# Altium PCB PCB2.PcbDoc (part 4 of 4) (continued)
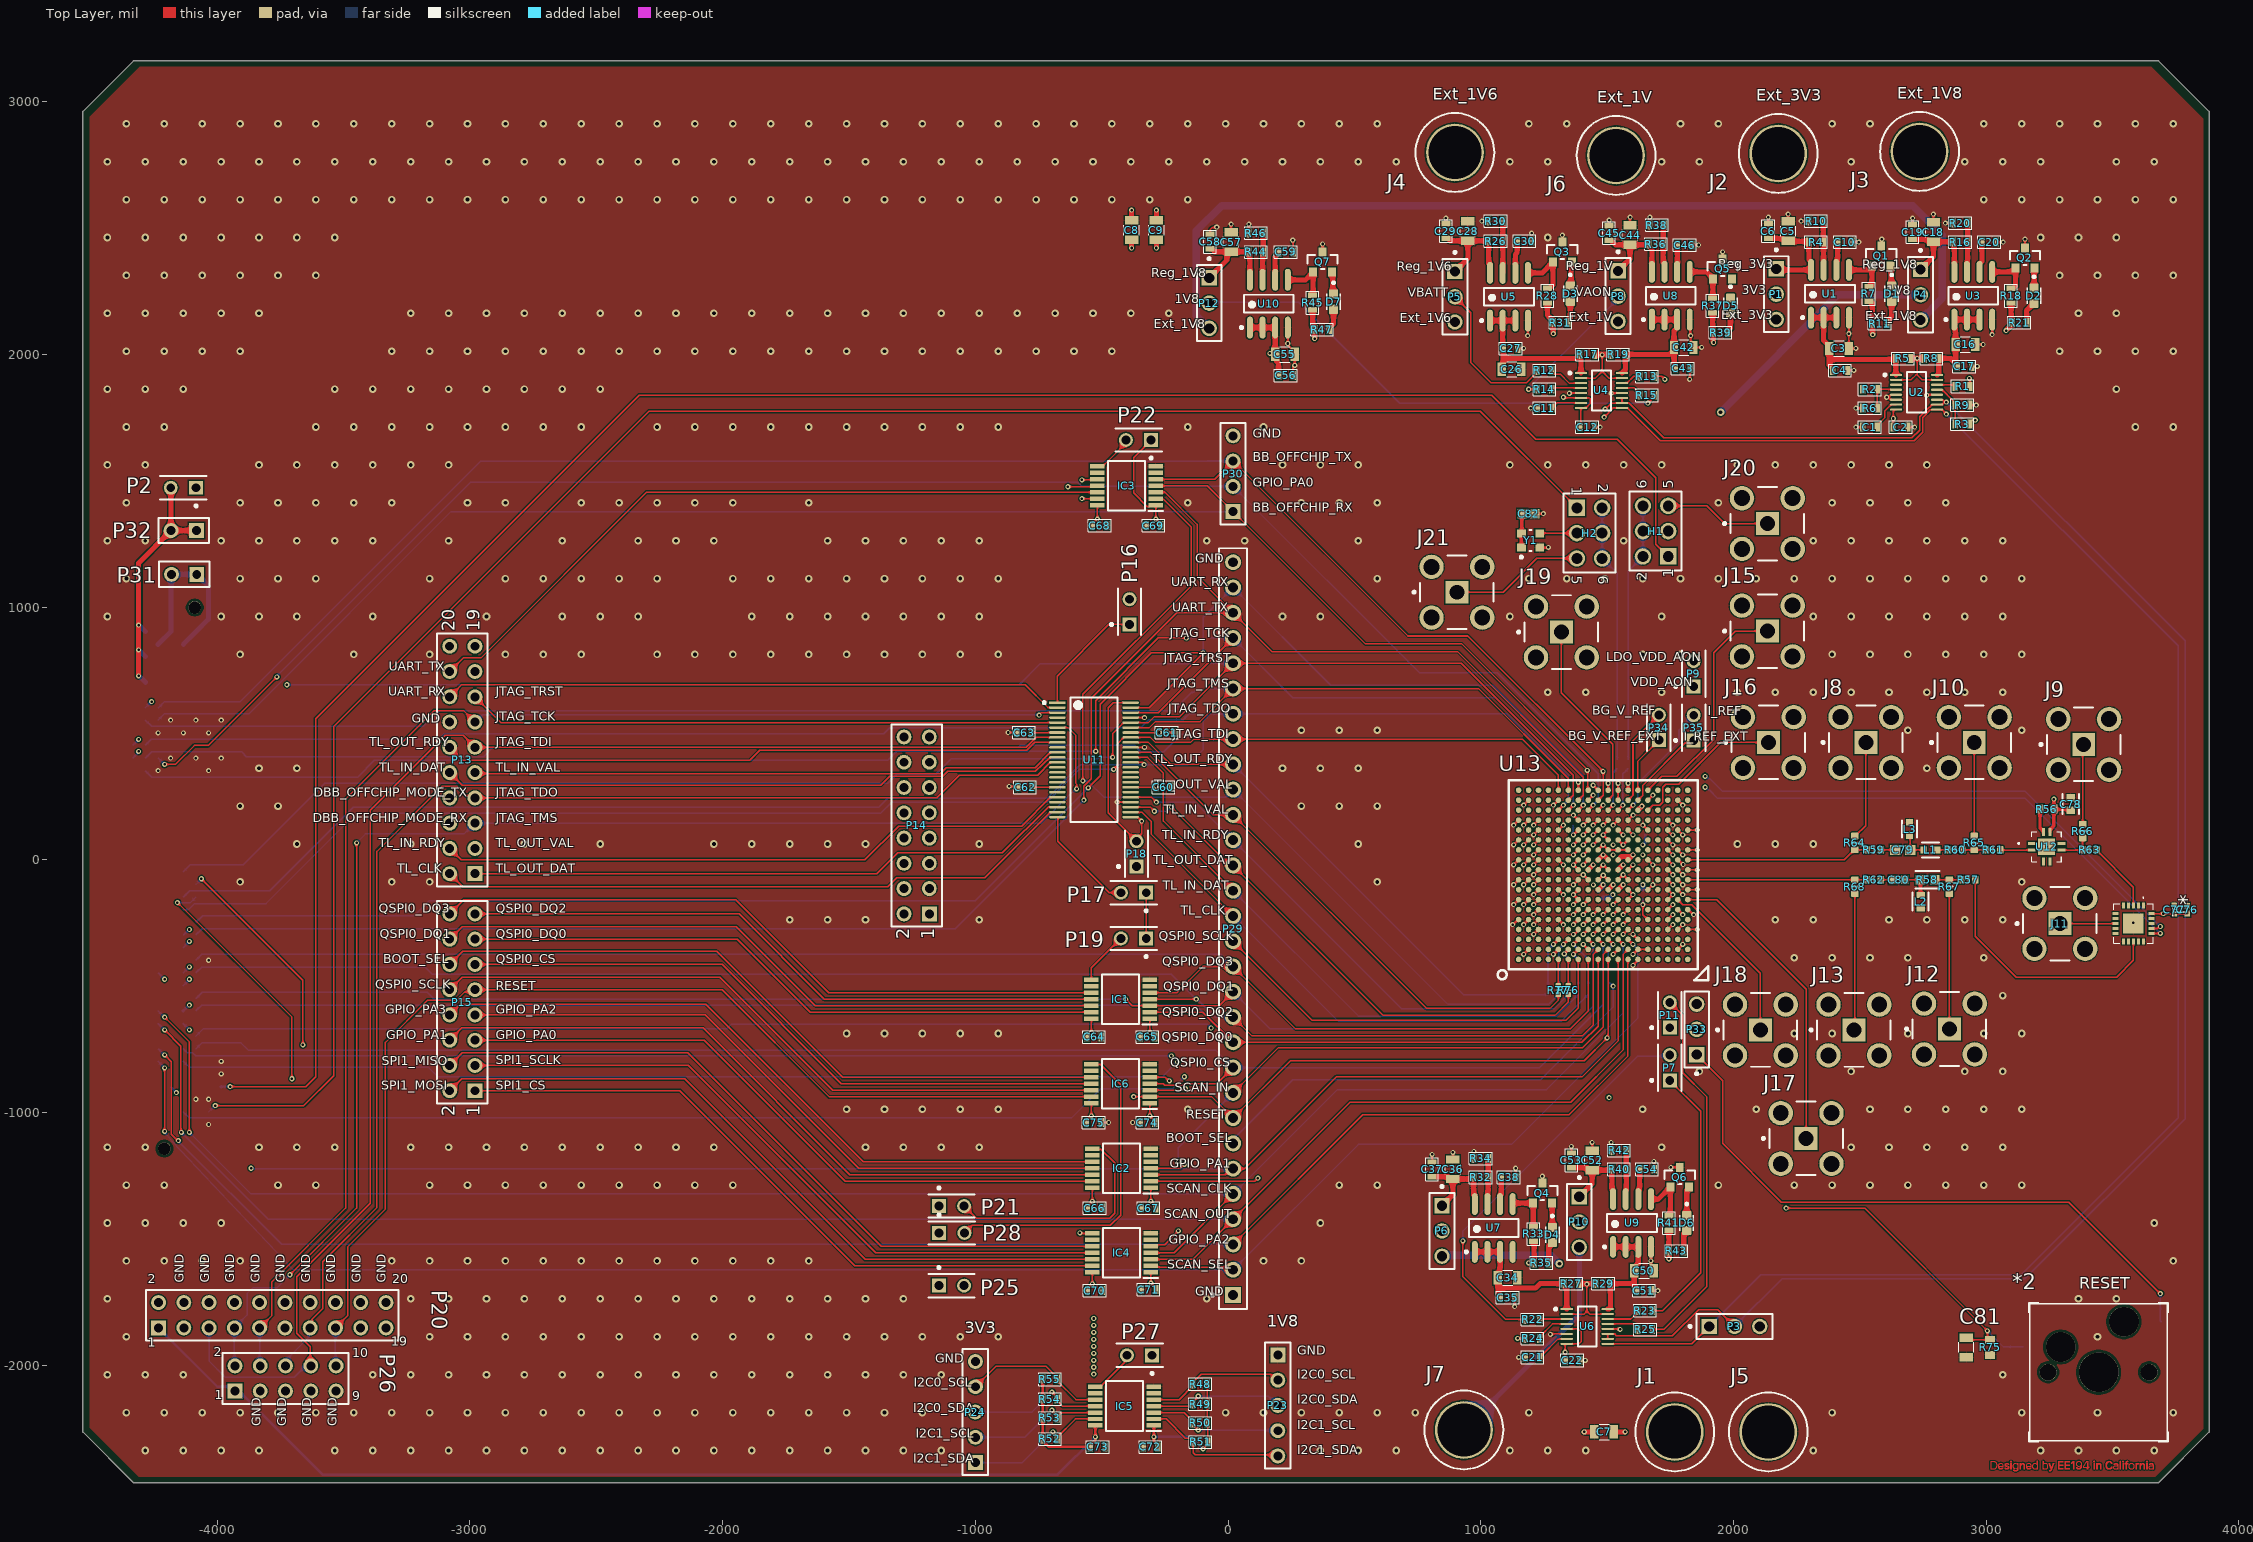
[diagram p0: Top Layer view]
## Nets (pads, with @x,y where several pads share a name; then routed paths per layer and width w, separated by ;. In a path a pad name is that pad's centre, name@x,y a point inside that pad or via, vN(x,y) a via of type N, cw(c..) or ccw(c..) an arc to the next point about the centre after c; other vN are vias at no path point) (continued)
  Top Layer w6: U13.279@1464.57,-314.96 v2(1484.25,-334.65)
  Bottom Layer w6: J14.H7@-4084.25,-747.24 -4061.42,-724.41 -3905.51,-724.41 -3877.14,-752.78 -49.58,-752.78 P29.10@19.68,-822.05 1233.26,-822.05 1484.25,-571.06 v2(1484.25,-334.65)
SPI0_DQ0: IC1.2 J14.H10 P29.11 U13.315 | length 6288.4
  Top Layer w5: IC1.2@-309.53,-602.36 -100,-602.36 P29.11@19.68,-722.05 1400,-722.05 1464.57,-657.48
  Top Layer w6: 1464.57,-657.48 U13.315@1464.57,-393.7
  Bottom Layer w5: J14.H10@-4084.25,-597.24 -4061.81,-574.8 -127.56,-574.8 P29.11@19.68,-722.05
SPI0_DQ1: IC1.3 J14.H11 P29.13 U13.278 | length 5955.5
  Top Layer w5: v2(-405.51,-551.18) -379.92,-576.77 IC1.3@-309.53,-576.77 -35.04,-576.77 P29.13@19.68,-522.05
  Top Layer w6: U13.278@1425.2,-314.96 v2(1444.88,-334.65)
  Bottom Layer w5: J14.H11@-4084.25,-547.24 -4082.68,-547.24 -4059.06,-523.62 -3169.29,-523.62 -3141.73,-551.18 -3141.73,-552.19 -1583.94,-552.19 -1582.93,-551.18 v2(-405.51,-551.18)
  Bottom Layer w6: P29.13@19.68,-522.05 166.93,-669.29 1354.33,-669.29 1444.88,-578.74 v2(1444.88,-334.65)
SPI0_DQ2: IC1.4 J14.H13 P29.12 U13.297 | length 6159.6
  Top Layer w5: IC1.4@-309.53,-551.18 v2(-125.98,-551.18)
  Top Layer w6: P29.12@19.68,-622.05 94.49,-696.85 1401.57,-696.85 1444.88,-653.54 1444.88,-374.02 U13.297@1464.57,-354.33
  Bottom Layer w5: J14.H13@-4084.25,-447.24 -4062.2,-425.2 -3177.17,-425.2 -3149.61,-452.76 -224.41,-452.76 v2(-125.98,-551.18) -122.05,-551.18 -51.18,-622.05 P29.12@19.68,-622.05
SPI0_DQ3: IC1.5 J14.H14 P29.14 U13.314 | length 6247.6
  Top Layer w6: IC1.5@-309.53,-525.59 -202.76,-525.59 -99.21,-422.05 P29.14@19.68,-422.05 266.93,-669.29 1354.33,-669.29 1425.2,-598.42 U13.314@1425.2,-393.7
  Bottom Layer w5: J14.H14@-4084.25,-397.24 -4061.02,-374.02 -28.35,-374.02 P29.14@19.68,-422.05
SPI0_SCLK: IC6.3 J14.H8 P29.15 U13.313 | length 6555.8
  Top Layer w6: IC6.3@-309.53,-911.42 -178.99,-911.42 -173.08,-905.51 v2(-169.29,-905.51) ; P29.15@19.68,-322.05 331.5,-633.86 1338.58,-633.86 1385.83,-586.61 U13.313@1385.83,-393.7
  Misc w5: v2(-169.29,-905.51) -66.93,-803.15 -66.93,-408.66 P29.15@19.68,-322.05
  Bottom Layer w6: J14.H8@-4084.25,-697.24 -4056.3,-669.29 -1984.25,-669.29 -1964.57,-649.61 -82.68,-649.61 v2(-66.93,-665.35)
SPI_0_CS_3V3: IC6.11 P15.11 | length 2635
  Top Layer w5: P15.11@-2980.32,-413.72 -2002.6,-413.72 -1530.49,-885.83 IC6.11@-540.87,-885.83
SPI_0_DQ_0_3V3: IC1.13 P15.13 | length 2559
  Top Layer w5: P15.13@-2980.32,-313.72 -1942.18,-313.72 -1653.54,-602.36 IC1.13@-540.87,-602.36
SPI_0_DQ_1_3V3: IC1.12 P15.14 | length 2689.8
  Top Layer w5: P15.14@-3080.32,-313.72 -3030.37,-263.78 -1946.67,-263.78 -1633.67,-576.77 IC1.12@-540.87,-576.77
SPI_0_DQ_2_3V3: IC1.11 P15.15 | length 2579.2
  Top Layer w5: P15.15@-2980.32,-213.72 -1935.27,-213.72 -1597.82,-551.18 IC1.11@-540.87,-551.18
SPI_0_DQ_3_3V3: IC1.10 P15.16 | length 2715.2
  Top Layer w5: P15.16@-3080.32,-213.72 -3024.07,-157.48 -1948.82,-157.48 -1580.71,-525.59 IC1.10@-540.87,-525.59
SPI_0_SCK__3V3: IC6.12 P15.10 | length 2744.9
  Top Layer w5: P15.10@-3080.32,-513.72 -3031.16,-464.57 -2011.02,-464.57 -1564.17,-911.42 IC6.12@-540.87,-911.42
SPI_1_CS_3V3: IC4.13 P15.1 | length 2730.3
  Top Layer w5: P15.1@-2980.32,-913.72 -2168.95,-913.72 -1476.38,-1606.3 IC4.13@-536.93,-1606.3
SPI_1_MISO_3V3: IC4.10 P15.4 | length 2881.3
  Top Layer w5: P15.4@-3080.32,-813.72 -3030.37,-763.78 -2137.8,-763.78 -1372.05,-1529.53 IC4.10@-536.93,-1529.53
SPI_1_MOSI_3V3: IC4.12 P15.2 | length 2859.1
  Top Layer w5: P15.2@-3080.32,-913.72 -3032.73,-866.14 -2150.77,-866.14 -1436.2,-1580.71 IC4.12@-536.93,-1580.71
SPI_1_SCK__3V3: IC4.11 P15.3 | length 2750.5
  Top Layer w5: P15.3@-2980.32,-813.72 -2135.27,-813.72 -1393.88,-1555.12 IC4.11@-536.93,-1555.12
TL_CLK: J14.G2 P29.16 R81.2 U11.26 | length 6982.5
  Top Layer w6: U11.26@-385.83,188.98 -384.39,187.54 -339.55,187.54 -303.15,151.14 -303.15,100.79 P29.16@19.68,-222.05
  Misc w6: v2(-173.23,-858.27) -173.23,-414.96 P29.16@19.68,-222.05
  Bottom Layer w6: J14.G2@-4134.25,-997.24 -4110.25,-1021.25 -619.68,-1021.25 -503.94,-905.51 -220.47,-905.51 v2(-173.23,-858.27) ; P29.16@18.5,-223.23 P29.16@19.68,-222.05 435.43,-637.8 1319.88,-637.8 1424.21,-533.46 R81.2@1425.2,-533.46
TL_CLK_3V3: P13.2 U11.23 | length 2548.8
  Top Layer w5: P13.2@-3080.32,-54.72 -3028.74,-106.3 -1346.46,-106.3 -1311.02,-70.87 -962.69,-70.87 -702.84,188.98 U11.23@-675.23,188.98
TL_IN_BITS_0_3V3: P13.10 U11.12 | length 2470.2
  Top Layer w5: P13.10@-3080.32,345.28 -3030.31,295.28 -1374.02,295.28 -1338.58,330.71 -1129.92,330.71 -1110.24,350.39 -762.3,350.39 -702.84,405.51 U11.12@-675.23,405.51
TL_IN_BITS_0_DUT: J14.G6 P29.17 R78.2 U11.37 | length 7093.1
  Top Layer w6: U11.37@-385.83,405.51 -318.9,405.51 -255.91,342.52 -255.91,153.54 P29.17@19.68,-122.05
  Misc w6: v2(-200.79,-799.21) -200.79,-342.52 P29.17@19.68,-122.05
  Bottom Layer w6: J14.G6@-4134.25,-797.24 -4110.25,-821.25 -3163.81,-821.25 -3126.8,-858.27 -259.84,-858.27 v2(-200.79,-799.21) ; P29.17@19.68,-122.05 515.75,-618.11 1300.2,-618.11 1384.84,-533.46 R78.2@1385.83,-533.46
TL_IN_RDY: J14.G12 P29.19 R79.2 U11.29 | length 6339.2
  Top Layer w6: U11.29@-385.83,248.03 -303.15,248.03 v2(-283.46,228.35)
  Misc w6: v2(-4110.24,-472.44) -2846.46,-472.44 -2043.31,330.71 -385.83,330.71 v2(-283.46,228.35)
  Bottom Layer w6: J14.G12@-4134.25,-497.24 -4110.24,-473.23 v2(-4110.24,-472.44) ; v2(-283.46,228.35) -130.71,228.35 687.32,-589.68 1289.25,-589.68 1345.47,-533.46 R79.2@1346.46,-533.46
TL_IN_RDY_3V3: P13.4 U11.20 | length 2526.6
  Top Layer w5: P13.4@-3080.32,45.28 -3035.04,0 -1437.01,0 -1303.15,133.86 -817.02,133.86 -702.84,248.03 U11.20@-675.23,248.03
TL_IN_VAL: J14.G9 P29.20 R77.2 U11.38 | length 6665.7
  Top Layer w6: U11.38@-385.83,425.2 -305.94,425.2 -58.7,177.95 P29.20@19.68,177.95 784.25,-586.61 1275.59,-586.61 1307.09,-555.12 R77.2@1307.09,-533.46
  Misc w6: v2(-4110.24,-673.23) -2858.27,-673.23 -2059.06,125.98 -32.28,125.98 P29.20@19.68,177.95
  Bottom Layer w6: J14.G9@-4134.25,-647.24 -4134.25,-648.23 -4110.24,-672.24 v2(-4110.24,-673.23)
  Bottom Layer w12.82: P29.20@19.29,177.56 P29.20@19.68,177.95
TL_IN_VAL_3V3: P13.9 U11.11 | length 2341.1
  Top Layer w5: P13.9@-2980.32,345.28 -2976.75,341.71 -1138.61,341.71 -1116.23,364.08 -763.96,364.08 -702.84,425.2 U11.11@-675.23,425.2
TL_OUT_BITS_0_3V3: P13.1 U11.22 | length 2414.2
  Top Layer w5: P13.1@-2980.32,-54.72 -1389.37,-54.72 -1307.09,27.56 -893.7,27.56 -712.6,208.66 U11.22@-675.23,208.66
TL_OUT_BITS_0_DUT: J14.G7 P29.18 R76.2 U11.27 | length 6917.5
  Top Layer w6: U11.27@-385.83,208.66 -307.65,208.66 v2(-291.34,192.35) ; v2(-224.41,208.66) 15.75,-31.5 P29.18@19.68,-31.5 ; P29.18@19.68,-22.05 611.81,-614.17 1295.28,-614.17 1346.46,-562.99 R76.2@1346.46,-533.46
  Misc w6: v2(-224.41,-775.59) -224.41,-266.14 P29.18@19.68,-22.05
  Bottom Layer w6: J14.G7@-4134.25,-747.24 -4117.72,-763.78 -4096.85,-763.78 -4085.04,-775.59 v2(-224.41,-775.59) ; v2(-291.34,192.35) -240.72,192.35 v2(-224.41,208.66)
TL_OUT_RDY: J14.G13 P29.22 R84.2 U11.40 | length 6636.4
  Top Layer w6: U11.40@-385.83,464.57 -314.96,464.57 -261.81,411.42 -260.28,409.88 ; -259.84,409.88 -260.28,409.88 ; P29.22@19.68,377.95 -228.35,377.95 -260.28,409.88
  Misc w6: v2(-4110.24,-423.23) -3194.88,-423.23 -3137.8,-366.14 -2850.39,-366.14 -2047.24,437.01 -1133.86,437.01 -1104.48,466.39 -316.78,466.39 -228.35,377.95 P29.22@19.68,377.95
  Bottom Layer w6: J14.G13@-4134.25,-447.24 v2(-4110.24,-423.23) ; P29.22@19.68,377.95 931.1,-533.46 R84.2@1267.72,-533.46
TL_OUT_RDY_3V3: P13.12 U11.9 | length 2455.8
  Top Layer w5: P13.12@-3080.32,445.28 -3028.74,393.7 -1893.1,393.7 -1853.73,433.07 -795.92,433.07 -764.42,464.57 U11.9@-675.23,464.57
TL_OUT_VAL: IC3.2 J14.G10 P29.21 R83.2 | length 7593.4
  Top Layer w6: v2(-574.8,312.71) -574.8,654.94 -145.67,1084.07 -145.67,1317.33 -255.02,1426.68 -283.46,1426.68 IC3.2@-285.91,1429.13
  Misc w6: v2(-4110.24,-574.8) -4091.36,-555.93 -2827.58,-555.93 -2039.37,232.28 -673.23,232.28 -593.8,311.71 -575.8,311.71 v2(-574.8,312.71)
  Bottom Layer w6: J14.G10@-4134.25,-597.24 v2@-4111.81,-574.8 ; v2(-574.8,312.71) -574.5,312.41 -555.8,312.41 -491.43,248.03 -10.24,248.03 P29.21@19.68,277.95 868.5,-570.87 1268.7,-570.87 1306.1,-533.46 R83.2@1307.09,-533.46
  Bottom Layer w12.82: v2@-4111.81,-574.8 v2(-4110.24,-574.8)
TL_OUT_VAL_3V3: IC3.13 P13.3 | length 3036.3
  Top Layer w5: v2(-578.74,1429.13) IC3.13@-517.24,1429.13
  Misc w5: P13.3@-2980.32,45.28 -1596.46,1429.13 v2(-578.74,1429.13)
UART0_RX: J14.H17 P29.29 U11.47 U13.43 | length 7118.8
  Top Layer w5: v2(-553.37,284.52) -553.37,285.22 -506.12,332.46 -506.12,615.93 -303.15,818.9 v2(-98.43,818.9) -98.43,816.83 -312.9,602.36 U11.47@-385.83,602.36
  Top Layer w6: U13.43@1385.83,196.85 v2(1405.51,216.54)
  Bottom Layer w5: J14.H17@-4084.25,-247.24 -4057.48,-220.47 -3220.47,-220.47 -3161.42,-161.42 -1000,-161.42 -554.07,284.52 v2(-553.37,284.52)
  Bottom Layer w6: v2(-98.43,818.9) -98.43,959.84 P29.29@19.68,1077.95 406.69,690.94 1047.38,690.94 1405.51,332.81 v2(1405.51,216.54)
UART0_TX: IC3.3 J14.H16 P29.28 U13.25 | length 7229.9
  Top Layer w5: v2(-570.87,236.22) -570.87,291.76 -541.12,321.51 -541.12,639.98 -203.15,977.95 P29.28@19.68,977.95
  Top Layer w6: IC3.3@-285.91,1454.72 -250,1454.72 -122.59,1327.31 -122.59,1120.23 P29.28@19.68,977.95 174.8,822.83 909.45,822.83 1405.51,326.77 1405.51,255.91 U13.25@1385.83,236.22
  Bottom Layer w5: J14.H16@-4084.25,-297.24 -4058.66,-271.65 -1078.74,-271.65 v2(-570.87,236.22)
UART_RX_3V3: P13.16 U11.2 | length 2462
  Top Layer w6: P13.16@-3080.32,645.28 -3033.03,692.57 -802.8,692.57 -712.6,602.36 U11.2@-675.23,602.36
UART_TX_3V3: IC3.12 P13.18 | length 2856.9
  Top Layer w6: P13.18@-3080.32,745.28 -3026.38,799.21 -2956.69,799.21 -2301.18,1454.72 IC3.12@-517.24,1454.72
VDD_1V6_Shunt-: C26.2 C27.2 R17.1 U4.1 U5.1 U5.2 U5.3 | length 666.8
  Top Layer w20: U5.1@1036.61,2133.86 U5.2@1086.61,2133.86 ; C26.2@1083.46,1940.94 1088.54,1946.02 1088.54,1984.41 ; U5.3@1136.61,2133.86 U5.2@1086.61,2133.86 ; U4.1@1396.42,1926.3 1396.42,1980.66 1384.8,1992.28 1376.93,1984.41 1088.54,1984.41 ; U5.2@1086.61,2133.86 1086.61,2033.27 1089.37,2030.51 C27.2@1089.37,2023.62 1088.54,2022.8 1088.54,1984.41
VDD_1V8: C82.2 Y1.1 Y1.4 | length 136.5
  Top Layer w12.82: Y1.1@1160.43,1235.24 Y1.4@1160.43,1292.32 1162.4,1294.29 1162.4,1368.11 C82.2@1164.37,1370.08
VDD_1V8_Shunt-: C16.2 C17.2 R8.1 U2.16 U3.1 U3.2 U3.3 | length 432.1
  Top Layer w20: U2.16@2805.51,1919.29 2806.39,1919.29 2812.2,1925.11 R8.1@2812.2,1984.25 2860.04,1984.25 C17.2@2878.74,1965.55 ; C17.2@2884.65,1952.76 2884.65,1959.65 C17.2@2878.74,1965.55 ; U3.3@2973.82,2137.8 U3.2@2923.82,2137.8 U3.1@2873.82,2137.8 2873.82,2105.32 2878.74,2100.4 C16.2@2878.74,2039.37 C17.2@2878.74,1965.55
VDD_1V_D_Shunt-: C34.2 C35.2 R27.1 U6.1 U7.1 U7.2 U7.3 | length 662.7
  Top Layer w20: U7.1@976.18,-1551.18 U7.2@1026.18,-1551.18 U7.3@1076.18,-1551.18 1076.18,-1635.24 1067.72,-1643.7 C34.2@1067.72,-1653.54 1067.72,-1695.12 ; C35.2@1077.56,-1732.28 1077.56,-1725.39 1067.72,-1715.55 1067.72,-1695.12 ; U6.1@1340.16,-1777.56 1340.16,-1694.69 1329.53,-1684.06 R27.1@1329.53,-1677.17 1234.29,-1677.17 1216.34,-1695.12 1067.72,-1695.12
VDD_1V_On_Shunt-: C42.2 C43.2 R19.1 U4.16 U8.1 U8.2 U8.3 | length 579.6
  Top Layer w20: U4.16@1558.62,1926.3 1572.05,1939.73 R19.1@1572.05,2000 1746.85,2000 C42.2@1764.57,2017.72 ; U8.1@1676.97,2137.8 U8.2@1726.97,2137.8 U8.3@1776.97,2137.8 1776.97,2105.32 1764.57,2092.92 C42.2@1764.57,2027.56 C42.2@1764.57,2017.72 ; C43.2@1770.47,1944.88 1770.47,1951.77 1764.57,1957.68 C42.2@1764.57,2017.72
VDD_3V3_Shunt-: C3.2 C4.2 R5.1 U1.1 U1.2 U1.3 U2.1 | length 655.5
  Top Layer w20: U1.1@2306.89,2145.67 U1.2@2356.89,2145.67 ; C4.2@2392.52,1937.01 2392.52,1943.9 2378.74,1957.68 2378.74,1980.32 ; U1.3@2406.89,2145.67 U1.2@2356.89,2145.67 ; U2.1@2643.31,1919.29 2642.52,1920.08 2642.52,1983.46 R5.1@2641.73,1984.25 2641.73,1981.14 2640.91,1980.32 2378.74,1980.32 ; U1.2@2356.89,2145.67 2356.89,2055.32 2378.74,2033.46 C3.2@2378.74,2023.62 2378.74,1980.32
VDD_A_RF: C47.1 C48.1 C49.1 P10.2 P11.1 R24.1 U13.12 U13.155 | length 2847
  Top Layer w6: v2(1145.67,-1893.7) R24.1@1175.98,-1893.7
  Top Layer w10: U13.12@1582.68,275.59 v2(1582.68,303.15)
  Top Layer w20: U13.155@1543.31,-39.37 v2(1562.99,-19.68)
  Misc w6: v2(1145.67,-1893.7) 1263.79,-1775.58 1263.79,-1559.04 P10.2@1389.76,-1433.07
  Misc w10: v2(1523.62,59.06) 1562.99,19.68 v2(1562.99,-19.68)
  Power w10: v2(1523.62,59.06) 1523.62,98.43 1582.68,157.48 v2(1582.68,303.15)
  Power w20: P10.2@1389.76,-1433.07 1629.92,-1433.07 1795.28,-1267.72 1795.28,-711.42 1696.85,-612.99 1696.85,-153.54 v2(1641.73,-98.43) v2(1562.99,-19.68)
  Bottom Layer w20: C49.1@1641.73,-116.14 v2(1641.73,-98.43)
VDD_ALWAYS_ON: C39.1 C40.1 C41.1 P8.2 P9.1 R14.1 U13.189 | length 3284.5
  Top Layer w6: v2(1188.98,1862.2) R14.1@1223.23,1862.2
  Top Layer w20: U13.189@1464.57,-118.11 v2(1484.25,-98.43)
  Misc w6: v2(1188.98,1862.2) v2@1191.66,1864.88
  Misc w20: v2(1484.25,-98.43) 1523.62,-59.06 v2(1523.62,19.69) ; P8.2@1543.31,2230.71 1893.7,1880.32 1893.7,728.35 1869.13,703.78 1860.08,703.78 P9.1@1842.52,686.22
  Power w20: v2(1523.62,19.69) 1562.99,19.69 1716.54,173.23 1716.54,346.46 1787.4,417.32 1787.4,631.1 P9.1@1842.52,686.22
  Bottom Layer w6: v2(1188.98,1862.2) 1188.98,1865.99 1543.31,2220.32 P8.2@1543.31,2230.71
  Bottom Layer w20: C39.1@1465.28,-121.33 1464.81,-120.86 1464.81,-120.63 1484.25,-101.19 v2(1484.25,-98.43)
VDD_BATT: C23.1 C24.1 C25.1 P5.2 R12.1 U13.79 U13.80 U13.81 U13.82 U13.83 U13.84 U13.97 U13.98 U13.99 U13.100 U13.101 U13.102 U13.133 U13.134 U13.151 U13.153 U13.154 U13.156 U13.187 U13.192 U13.205 U13.206 U13.209 U13.210 U13.241 U13.242 U13.243 U13.244 U13.245 U13.246 | length 1509.1
  Top Layer w6: P5.2@897.64,2228.35 960.63,2165.35 960.63,1968.5 1040.82,1888.31 1181.42,1888.31 1223.23,1930.12 R12.1@1223.23,1937.01 ; v2(1366.14,-255.91) U13.241@1385.83,-236.22 ; v2(1366.14,-177.17) U13.205@1385.83,-157.48 v2(1366.14,-137.8) 1371.67,-132.27 U13.187@1385.83,-118.11 ; v2(1366.14,59.06) U13.97@1385.83,78.74 ; v2(1366.14,98.43) U13.79@1385.83,118.11 ; U13.151@1385.83,-39.37 v2(1366.14,-19.68) U13.133@1385.83,0 ; v2(1405.51,-255.91) U13.242@1425.2,-236.22 ; v2(1405.51,-177.17) U13.206@1425.2,-157.48 ; v2(1405.51,-19.68) U13.134@1425.2,0 ; v2(1405.51,59.06) U13.98@1425.2,78.74 ; v2(1405.51,98.43) U13.80@1425.2,118.11 ; v2(1444.88,-255.91) U13.243@1464.57,-236.22 ; v2(1444.88,59.06) U13.99@1464.57,78.74 ; v2(1444.88,98.43) U13.81@1464.57,118.11 ; U13.153@1464.57,-39.37 v2(1484.25,-19.68) U13.154@1503.94,-39.37 ; v2(1484.25,-255.91) U13.244@1503.94,-236.22 ; U13.100@1503.94,78.74 v2(1484.25,98.43) U13.82@1503.94,118.11 ; v2(1523.62,-255.91) U13.245@1543.31,-236.22 ; v2(1523.62,-177.17) U13.209@1543.31,-157.48 ; U13.101@1543.31,78.74 v2(1562.99,59.06) U13.102@1582.68,78.74 ; U13.83@1543.31,118.11 v2(1562.99,98.43) ; v2(1562.99,-255.91) U13.246@1582.68,-236.22 ; U13.210@1582.68,-157.48 v2(1602.36,-137.8) U13.192@1582.68,-118.11 ; U13.156@1582.68,-39.37 v2(1602.36,-19.68) ; U13.84@1582.68,118.11 v2(1602.36,98.43)
  Bottom Layer w6: C25.1@1364.17,137.8 1365.16,136.81 1365.16,99.41 v2(1366.14,98.43)
VDD_D: C31.1 C32.1 C33.1 P6.2 P7.1 R23.1 U13.152 | length 3289.1
  Top Layer w6: R23.1@1678.35,-1783.46 1720.47,-1783.46 1870.08,-1633.86 1870.08,-994.88 P7.1@1748.03,-872.83
  Top Layer w20: U13.152@1425.2,-39.37 v2(1444.88,-19.68)
  Misc w20: P6.2@846.46,-1468.5 980.31,-1468.5 v2(1507.87,-940.94)
  Power w20: v2(1444.88,-19.68) 1444.88,-94.49 1445.79,-95.4 v2(1445.79,-98.68) 1484.91,-137.8 v2(1522.45,-137.8) 1524.38,-139.72 1529.57,-139.72 1633.86,-244.02 1633.86,-758.66 P7.1@1748.03,-872.83 1575.98,-872.83 v2(1507.87,-940.94)
  Bottom Layer w20: C31.1@1484.25,-151.57 1484.41,-151.42 1508.83,-151.42 v2(1522.45,-137.8)
VDD_V85_RF_Shunt-: C50.2 C51.2 R29.1 U6.16 U9.1 U9.2 U9.3 | length 490.7
  Top Layer w20: U6.16@1502.36,-1777.56 1507.17,-1777.56 1512.99,-1771.74 R29.1@1512.99,-1677.17 1595.28,-1677.17 1607.09,-1665.35 ; U9.1@1523.43,-1531.5 U9.2@1573.43,-1531.5 U9.3@1623.43,-1531.5 1623.43,-1599.8 1607.09,-1616.14 C50.2@1607.09,-1625.98 1607.09,-1665.35 ; C51.2@1616.93,-1704.72 1616.93,-1697.83 1607.09,-1687.99 1607.09,-1665.35
pads on no net: *2.3 *2.4 *2.5 *2.6 *2.Un1 *2.Un2 *2.Un3 *2.Un4 *2.Un5 D5.C H1.3 IC1.6 IC1.9 IC2.6 IC2.9 IC3.6 IC3.9 IC4.6 IC4.9 IC5.6 IC5.9 IC6.6 IC6.9 J14. J14.A2 J14.A3 J14.A6 J14.A7 J14.A10 J14.A11 J14.A14 J14.A15 J14.A18 J14.A19 J14.A22 J14.A23 J14.A26 J14.A27 J14.A30 J14.A31 J14.A34 J14.A35 J14.A38 J14.A39 J14.B1 J14.B4 J14.B5 J14.B8 J14.B9 J14.B12 J14.B13 J14.B16 J14.B17 J14.B20 J14.B21 J14.B24 J14.B25 J14.B28 J14.B29 J14.B32 J14.B33 J14.B36 J14.B37 J14.B40 J14.C2 J14.C3 J14.C6 J14.C7 J14.C10 J14.C11 J14.C14 J14.C15 J14.C18 J14.C19 J14.C22 J14.C23 J14.C26 J14.C27 J14.C34 J14.C35 J14.C37 J14.C39 J14.D1 J14.D4 J14.D5 J14.D8 J14.D9 J14.D11 J14.D12 J14.D14 J14.D15 J14.D17 J14.D18 J14.D20 J14.D21 J14.D23 J14.D24 J14.D26 J14.D27 J14.D32 J14.D35 J14.E2 J14.E3 J14.E12 J14.E15 J14.E16 J14.E18 J14.E19 J14.E21 J14.E22 J14.E24 J14.E25 J14.E27 J14.E28 J14.E31 J14.E36 J14.E37 J14.F1 J14.F5 J14.F7 J14.F8 J14.F10 J14.F11 J14.F13 J14.F14 J14.F16 J14.F17 J14.F19 J14.F20 J14.F22 J14.F23 J14.F25 J14.F26 J14.F28 J14.F29 J14.F31 J14.F32 J14.F34 J14.F35 J14.F37 J14.F38 J14.G22 J14.G24 J14.G25 J14.G27 J14.G28 J14.G30 J14.G31 J14.G33 J14.G34 J14.G36 J14.G37 J14.H1 J14.H2 J14.H22 J14.H23 J14.H25 J14.H26 J14.H28 J14.H29 J14.H31 J14.H32 J14.H34 J14.H35 J14.H37 J14.H38 J14.J6 J14.J7 J14.J9 J14.J10 J14.J12 J14.J13 J14.J15 J14.J16 J14.J18 J14.J19 J14.J21 J14.J22 J14.J24 J14.J25 J14.J27 J14.J28 J14.J30 J14.J31 J14.J33 J14.J34 J14.J36 J14.J37 J14.J39 J14.K1 J14.K7 J14.K8 J14.K10 J14.K11 J14.K13 J14.K14 J14.K16 J14.K17 J14.K19 J14.K20 J14.K22 J14.K23 J14.K25 J14.K26 J14.K28 J14.K29 J14.K31 J14.K32 J14.K34 J14.K35 J14.K37 J14.K38 J14.K40 P13.17 P13.19 P13.20 P14.1 P14.2 P14.4 P14.6 P14.7 P14.8 P14.9 P14.10 P14.11 P14.12 P14.13 P14.14 P14.15 P14.16 P20.2 P20.3 P20.17 P20.19 Q5.2 U2.3 U12.1 U12.6 U13.1 U13.2 U13.3 U13.4 U13.15 U13.16 U13.17 U13.18 U13.19 U13.21 U13.22 U13.33 U13.34 U13.36 U13.37 U13.38 U13.39 U13.40 U13.51 U13.52 U13.53 U13.54 U13.58 U13.59 U13.60 U13.67 U13.68 U13.69 U13.71 U13.72 U13.73 U13.74 U13.76 U13.78 U13.85 U13.87 U13.94 U13.95 U13.96 U13.103 U13.104 U13.105 U13.107 U13.108 U13.109 U13.110 U13.112 U13.113 U13.114 U13.121 U13.122 U13.123 U13.130 U13.132 U13.139 U13.141 U13.145 U13.146 U13.148 U13.149 U13.150 U13.157 U13.158 U13.159 U13.166 U13.167 U13.168 U13.175 U13.176 U13.177 U13.181 U13.182 U13.184 U13.186 U13.188 U13.193 U13.195 U13.202 U13.203 U13.204 U13.207 U13.208 U13.211 U13.212 U13.213 U13.217 U13.218 U13.220 U13.221 U13.222 U13.229 U13.230 U13.231 U13.238 U13.240 U13.247 U13.249 U13.251 U13.252 U13.253 U13.254 U13.256 U13.257 U13.258 U13.265 U13.266 U13.267 U13.271 U13.272 U13.273 U13.274 U13.284 U13.285 U13.286 U13.287 U13.288 U13.289 U13.291 U13.292 U13.303 U13.304 U13.306 U13.307 U13.308 U13.309 U13.310 U13.320 U13.321 U13.322 U13.323 U13.324

## Polygon pours and split planes (outlines as drawn)
GND on GND2 "GND_L05_P004" (solid, pour order 4): -4500,2944.88 -4307.09,3137.8 3657.48,3137.8 3858.27,2937.01 3862.2,2937.01 3862.2,-2232.28 3653.54,-2440.94 -4303.15,-2440.94 -4492.13,-2251.97 -4500,-2251.97
VDD_BATT on GND2 "VDD_BATT_L05_P002" (solid, pour order 2): 1346.46,-275.59 712.6,358.27 712.6,2271.65 1082.68,2271.65 1082.68,421.26 1346.46,157.48 1681.1,157.48 1677.17,-275.59
Ext_1V on Power "EXT_1V_L04_P005" (solid, pour order 5): 1688.98,2944.88 1688.98,2074.8 1381.89,2074.8 1374.02,2066.93 1374.02,2944.88
Ext_VDD on Power "EXT_VDD_L04_P012" (solid, pour order 12): 393.7,2287.4 -3153.54,2287.4 -4039.37,1401.57 -4248.03,1401.57 -4248.03,1578.74 -3283.46,2543.31 594.49,2543.31 712.6,2425.2 712.6,2185.04 3228.35,2185.04 3236.22,2177.17 3236.22,1748.03 3114.17,1625.98 1051.18,1625.98 1051.18,-1232.28 1929.13,-2110.24 1929.13,-2425.2 1610.24,-2425.2 1606.3,-2429.13 649.61,-1472.44 649.61,1767.72 330.71,1767.72 133.86,1964.57 133.86,2023.62 393.7,2023.62
Ext_3V3 on Power "EXT_3V3_L04_P006" (solid, pour order 6): 2334.65,2952.76 2338.58,2948.82 2338.58,2090.55 2019.68,2090.55 2019.68,2952.76
1V8_IO on Power "1V8_IO_L04_P008" (solid, pour order 8): 133.86,2149.61 354.33,2149.61 354.33,2259.84 -102.36,2259.84 -377.95,1984.25 -377.95,-2358.27 -181.1,-2358.27 -181.1,1834.65
3V3 on Power "3V3_L04_P010" (solid, pour order 10): -822.83,-2354.33 -822.83,1826.77 -413.39,1826.77 -413.39,-2354.33
3V3 on Misc "3V3_L03_P011" (solid, pour order 11): 633.86,-1330.71 161.42,-1803.15 -551.18,-1803.15 -551.18,-2043.31 -559.06,-2051.18 2972.44,-2051.18 3850.39,-1173.23 3850.39,1421.26 2889.76,2381.89 216.54,2418.76 216.54,1720.47 2700.79,1720.47 3173.23,1248.03 3173.23,-1330.71
Ext_1V8 on Misc "EXT_1V8_L03_P009" (solid, pour order 9): 2893.7,2960.63 2893.7,2082.68 2889.76,2086.61 2578.74,2086.61 2578.74,2960.63
Ext_1V6 on Misc "EXT_1V6_L03_P007" (solid, pour order 7): 1055.12,2956.69 1055.12,2082.68 736.22,2082.68 736.22,2956.69
GND on GND1 "GND_L02_P000" (solid, pour order 0): -4503.94,-2248.03 -4311.02,-2440.94 3669.29,-2440.94 3858.27,-2251.97 3858.27,2933.07 3653.54,3137.8 -4307.09,3137.8 -4503.94,2940.94
GND on Bottom Layer "GND_L06_P003" (solid, pour order 3): -4287.4,-2440.94 -4503.94,-2224.41 -4503.94,-2220.47 -4500,-2216.54 -4500,2948.82 -4311.02,3137.8 3641.73,3137.8 3862.2,2917.32 3862.2,-2244.09 3665.35,-2440.94
GND on Top Layer "GND_L01_P014" (solid, pour order 14): -4503.94,-2248.03 -4311.02,-2440.94 3669.29,-2440.94 3858.27,-2251.97 3858.27,2933.07 3653.54,3137.8 -4307.09,3137.8 -4503.94,2940.94

## Other copper
Top Layer:
  drawing of 31 lines, arcs and shapes, not listed

## Silkscreen, mask and mechanical layers (free items; w line width, h text height)
Top Overlay:
  text "Ext_1V8" at 2647.87,2996.34 h78.74
  text "Ext_1V6" at 809.54,2992.41 h78.74
  text "Ext_3V3" at 2089.68,2988.47 h78.74
  text "Ext_1V" at 1461.33,2980.59 h78.74
  text "Reg_3V3" at 1940.67,2327.8 h62.99
  text "Reg_1V8" at 2510.14,2325.44 h62.99
  text "Reg_1V" at 1336.08,2319.93 h62.99
  text "Reg_1V6" at 668.03,2317.56 h62.99
  text "Reg_1V8" at -304.82,2292.37 h62.99
  text "3V3" at 2033.42,2224.82 h62.99
  text "1V8" at 2604.75,2222.45 h62.99
  text "VAON" at 1373.06,2216.94 h62.99
  text "VBATT" at 710.69,2214.17 h62.99
  text "1V8" at -210.21,2189.38 h62.99
  text "Ext_3V3" at 1952.23,2124.63 h62.99
  text "Ext_1V8" at 2521.7,2122.27 h62.99
  text "Ext_1V" at 1347.63,2116.75 h62.99
  text "Ext_1V6" at 679.58,2114.39 h62.99
  text "Ext_1V8" at -293.26,2089.2 h62.99
  text "GND" at 98.45,1657.1 h62.99
  text "BB_OFFCHIP_TX" at 98.45,1563.21 h62.99
  text "GPIO_PA0" at 98.45,1463.21 h62.99
  text "BB_OFFCHIP_RX" at 98.45,1363.21 h62.99
  text "GND" at -130.43,1161.82 h62.99
  text "UART_RX" at -224.13,1067.94 h62.99
  text "UART_TX" at -220.41,967.94 h62.99
  text "JTAG_TCK" at -231.26,867.94 h62.99
  text "LDO_VDD_AON" at 1495.52,772.27 h62.99
  text "JTAG_TRST" at -255.04,767.94 h62.99
  text "UART_TX" at -3320.41,735.26 h62.99
  text "VDD_AON" at 1592.83,672.27 h62.99
  text "JTAG_TMS" at -241.1,667.94 h62.99
  text "JTAG_TRST" at -2897.61,635.65 h62.99
  text "UART_RX" at -3324.13,635.26 h62.99
  text "JTAG_TDO" at -237.58,567.94 h62.99
  text "BG_V_REF" at 1441.22,559.67 h62.99
  text "I_REF" at 1898.32,557.7 h62.99
  text "JTAG_TCK" at -2897.61,535.65 h62.99
  text "GND" at -3230.43,529.15 h62.99
  text "JTAG_TDI" at -219.33,467.94 h62.99
  text "BG_V_REF_EXT" at 1346.87,459.67 h62.99
  text "I_REF_EXT" at 1803.98,457.7 h62.99
  text "JTAG_TDI" at -2897.61,435.65 h62.99
  text "TL_OUT_RDY" at -3397.93,435.26 h62.99
  text "TL_OUT_RDY" at -297.93,367.94 h62.99
  text "TL_IN_VAL" at -2897.64,335.65 h62.99
  text "TL_IN_DAT" at -3358.93,335.26 h62.99
  text "TL_OUT_VAL" at -291.93,267.94 h62.99
  text "JTAG_TDO" at -2897.61,235.65 h62.99
  text "DBB_OFFCHIP_MODE_TX" at -3618.88,235.26 h62.99
  text "TL_IN_VAL" at -254.39,167.94 h62.99
  text "JTAG_TMS" at -2897.61,135.65 h62.99
  text "DBB_OFFCHIP_MODE_RX" at -3622.61,135.26 h62.99
  text "TL_IN_RDY" at -260.39,67.94 h62.99
  text "TL_OUT_VAL" at -2897.64,35.65 h62.99
  text "TL_IN_RDY" at -3360.39,35.26 h62.99
  text "TL_OUT_DAT" at -296.47,-32.06 h62.99
  text "TL_OUT_DAT" at -2897.64,-64.35 h62.99
  text "TL_CLK" at -3287.32,-64.74 h62.99
  text "TL_IN_DAT" at -258.93,-132.06 h62.99
  text "QSPI0_DQ2" at -2897.61,-223.35 h62.99
  text "QSPI0_DQ3" at -3360.65,-223.74 h62.99
  text "TL_CLK" at -187.32,-232.06 h62.99
  text "QSPI0_DQ0" at -2897.61,-323.35 h62.99
  text "QSPI0_DQ1" at -3356.34,-323.74 h62.99
  text "QSPI0_SCLK" at -273.83,-332.06 h62.99
  text "QSPI0_CS" at -2897.61,-423.35 h62.99
  text "BOOT_SEL" at -3343.95,-423.74 h62.99
  text "QSPI0_DQ3" at -260.65,-432.06 h62.99
  text "QSPI0_SCLK" at -3373.83,-523.74 h62.99
  text "RESET" at -2897.61,-529.52 h62.99
  text "QSPI0_DQ1" at -256.34,-532.06 h62.99
  text "GPIO_PA2" at -2897.61,-623.35 h62.99
  text "GPIO_PA3" at -3335.77,-623.74 h62.99
  text "QSPI0_DQ2" at -260.56,-632.06 h62.99
  text "GPIO_PA0" at -2897.61,-723.35 h62.99
  text "GPIO_PA1" at -3331.46,-723.74 h62.99
  text "QSPI0_DQ0" at -261.76,-732.06 h62.99
  text "SPI1_SCLK" at -2897.64,-823.35 h62.99
  text "SPI1_MISO" at -3349.85,-826.08 h62.99
  text "QSPI0_CS" at -229.25,-832.06 h62.99
  text "SPI1_CS" at -2897.64,-923.35 h62.99
  text "SPI1_MOSI" at -3350.55,-923.74 h62.99
  text "SCAN_IN" at -211.3,-932.06 h62.99
  text "RESET" at -166.34,-1038.23 h62.99
  text "BOOT_SEL" at -243.95,-1132.06 h62.99
  text "GPIO_PA1" at -231.46,-1232.06 h62.99
  text "SCAN_CLK" at -241.79,-1332.06 h62.99
  text "SCAN_OUT" at -251.81,-1432.06 h62.99
  text "GPIO_PA2" at -235.68,-1532.06 h62.99
  text "SCAN_SEL" at -241.21,-1632.06 h62.99
  text "GND" at -4118.52,-1673.74 h62.99 r90
  text "GND" at -4018.52,-1673.74 h62.99 r90
  text "GND" at -3918.52,-1673.74 h62.99 r90
  text "GND" at -3818.52,-1673.74 h62.99 r90
  text "GND" at -3718.52,-1673.74 h62.99 r90
  text "GND" at -3618.52,-1673.74 h62.99 r90
  text "GND" at -3518.52,-1673.74 h62.99 r90
  text "GND" at -3418.52,-1673.74 h62.99 r90
  text "GND" at -3318.52,-1673.74 h62.99 r90
  text "RESET" at 3367.47,-1712.16 h78.74
  text "GND" at -130.43,-1738.18 h62.99
  text "1V8" at 155.49,-1863.27 h78.74
  text "3V3" at -1041.95,-1889.25 h78.74
  text "GND" at 274.27,-1972.82 h62.99
  text "GND" at -1157.99,-2003.53 h62.99
  text "I2C0_SCL" at 274.27,-2066.71 h62.99
  text "I2C0_SCL" at -1244.41,-2099.78 h62.99
  text "I2C0_SDA" at 274.27,-2166.71 h62.99
  text "I2C0_SDA" at -1245.05,-2199.78 h62.99
  text "GND" at -3813.79,-2242.24 h62.99 r90
  text "GND" at -3713.79,-2242.24 h62.99 r90
  text "GND" at -3613.79,-2242.24 h62.99 r90
  text "GND" at -3513.79,-2242.24 h62.99 r90
  text "I2C1_SCL" at 274.27,-2266.71 h62.99
  text "I2C1_SCL" at -1236.53,-2300.57 h62.99
  text "I2C1_SDA" at 274.27,-2366.71 h62.99
  text "I2C1_SDA" at -1245.05,-2399.78 h62.99
Bottom Overlay:
  lines w10: -3880.32,-1204.72 -3880.32,3095.28 -480.32,3095.28 -480.32,-1204.72 -3880.32,-1204.72
Mechanical 1:
  the board outline again, w10

## Text inside footprints (layer, text, board x,y; h text height)
*2: Mechanical 5 "%R" at 3435.33,-1864.1 h39.37; Mechanical 5 "%V" at 3434.6,-2064.1 h39.37
H1: Top Overlay "6" at 1656.3,1468.9 h40 r90; Top Overlay "5" at 1762.6,1468.9 h40 r90; Top Overlay "2" at 1656.3,1105.12 h40 r90; Top Overlay "1" at 1762.6,1116.93 h40 r90
H2: Top Overlay "6" at 1465.75,1124.8 h40 r270; Top Overlay "5" at 1359.45,1124.8 h40 r270; Top Overlay "2" at 1465.75,1488.58 h40 r270; Top Overlay "1" at 1359.45,1476.77 h40 r270
P13: Top Overlay "20" at -3060.32,905.28 h50 r90; Top Overlay "19" at -2960.32,905.28 h50 r90
P14: Top Overlay "2" at -1262.32,-313.72 h50 r90; Top Overlay "1" at -1162.32,-313.72 h50 r90
P15: Top Overlay "2" at -3060.32,-1013.72 h50 r90; Top Overlay "1" at -2960.32,-1013.72 h50 r90
P20: Top Overlay "20" at -3307.09,-1688.98 h62.99; Top Overlay "19" at -3311.02,-1937.01 h62.99; Top Overlay "1" at -4275.59,-1940.94 h62.99; Top Overlay "2" at -4275.59,-1688.98 h62.99
P26: Top Overlay "10" at -3466.14,-1982.68 h62.99; Top Overlay "9" at -3466.14,-2151.97 h62.99; Top Overlay "1" at -4009.45,-2148.03 h62.99; Top Overlay "2" at -4013.39,-1978.74 h62.99